# Altium PCB EEG_new.PcbDoc (part 1 of 2)
Units mm, origin at the board's own origin, x right, y up, seen from the top; angles counter-clockwise.
Board outline 100 x 80 mm, 2 copper layers (Top Layer, Bottom Layer); 142 components, 121 nets, 600 pads, 151 vias.
Unrouted connection lines stored in the file: 112.
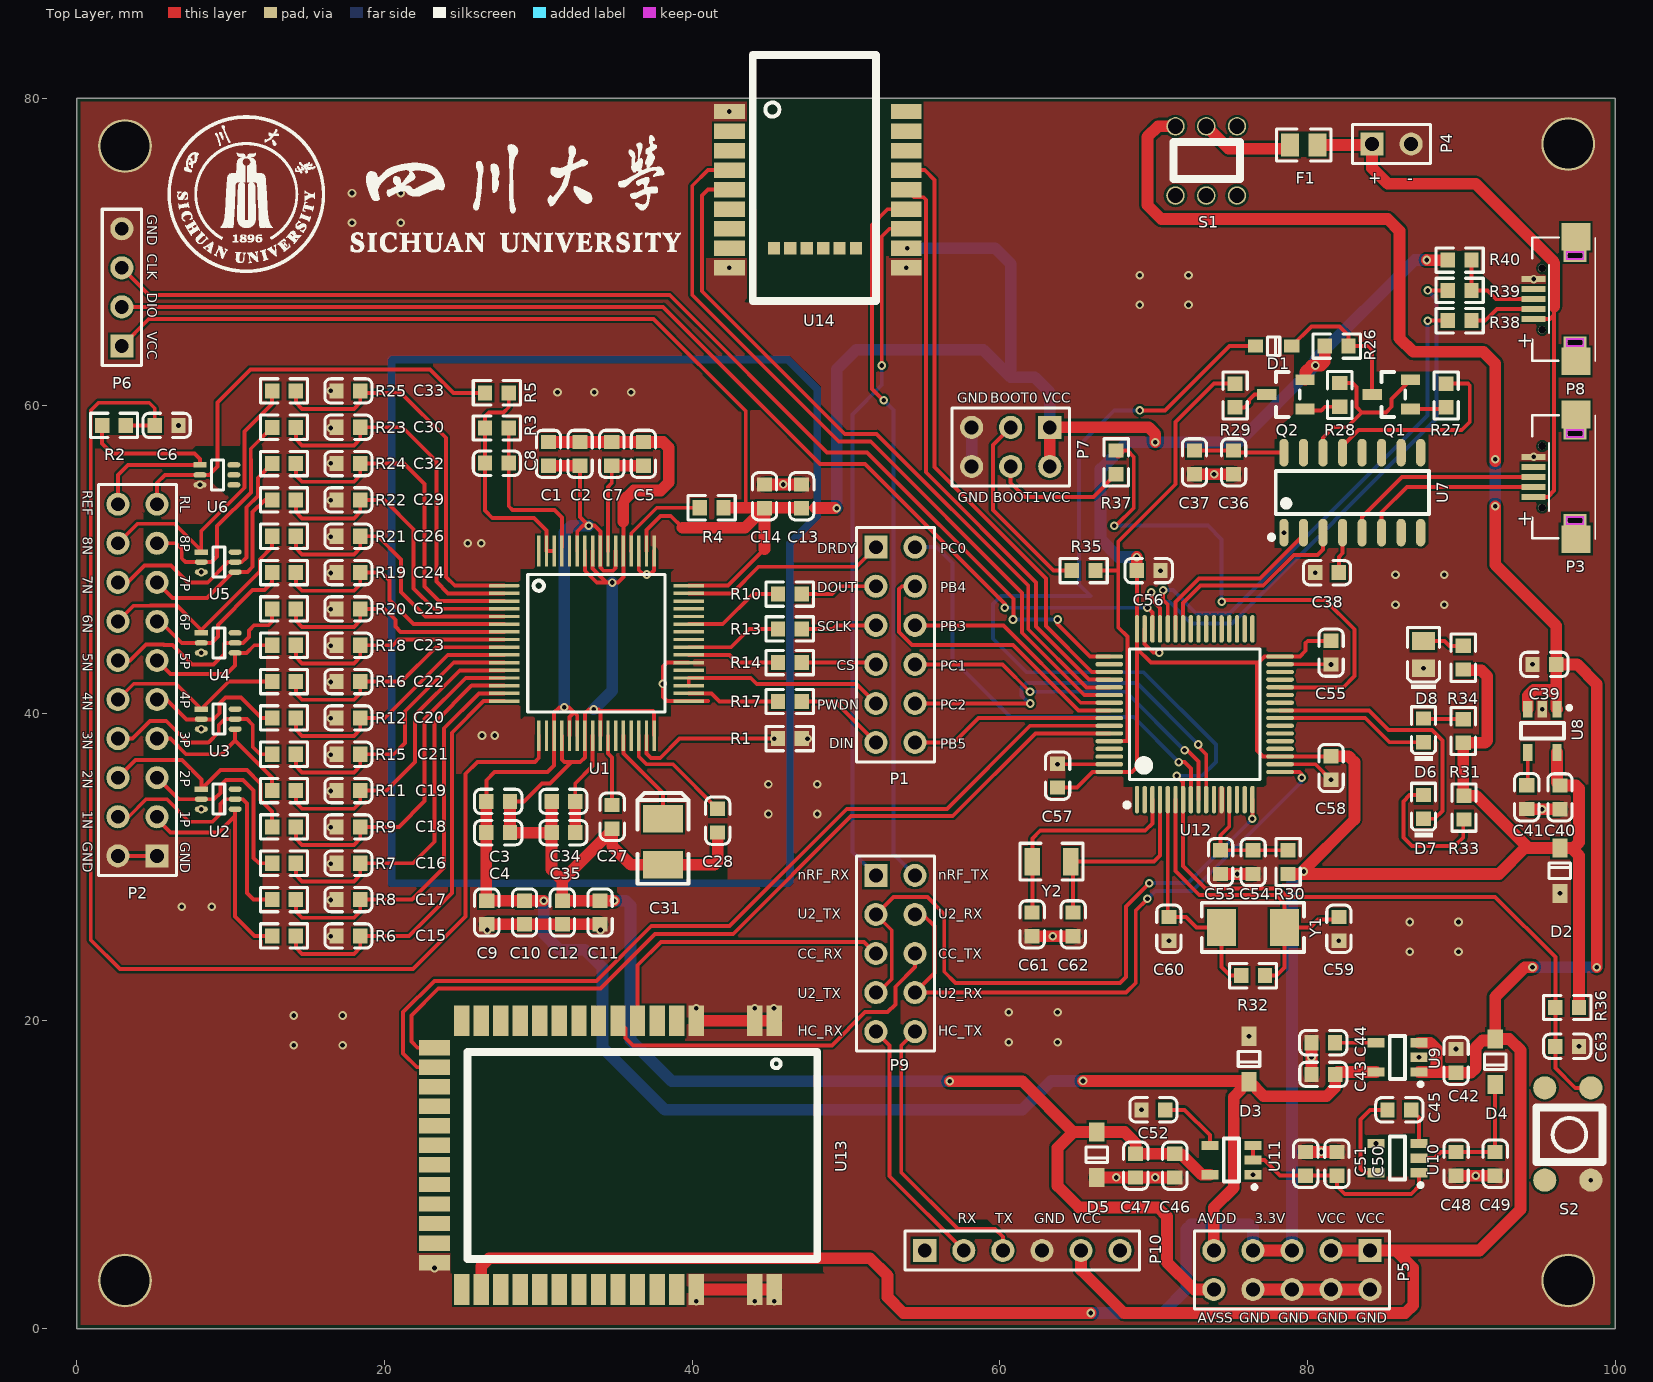
[diagram p0: Top Layer view]
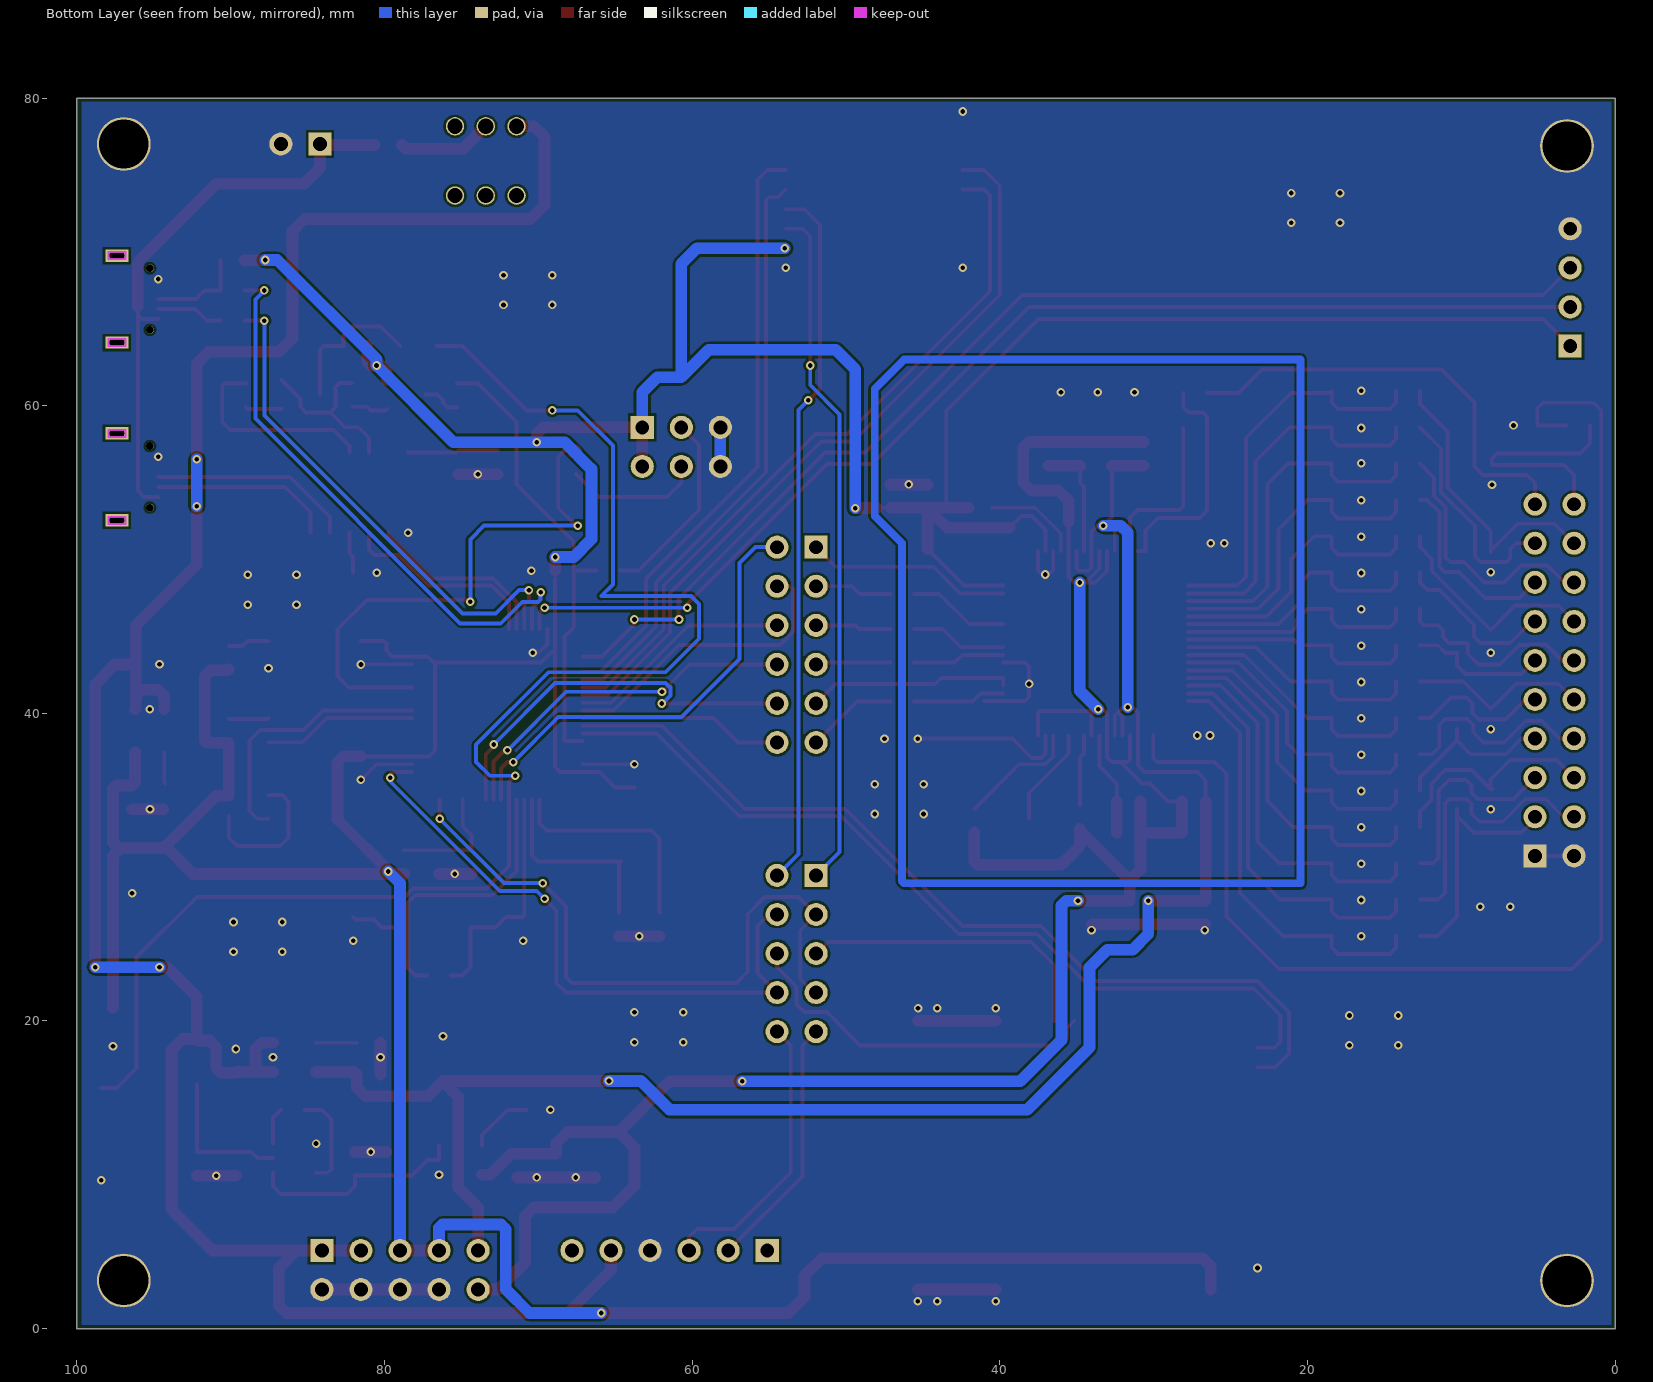
[diagram p1: Bottom Layer view, seen from below]
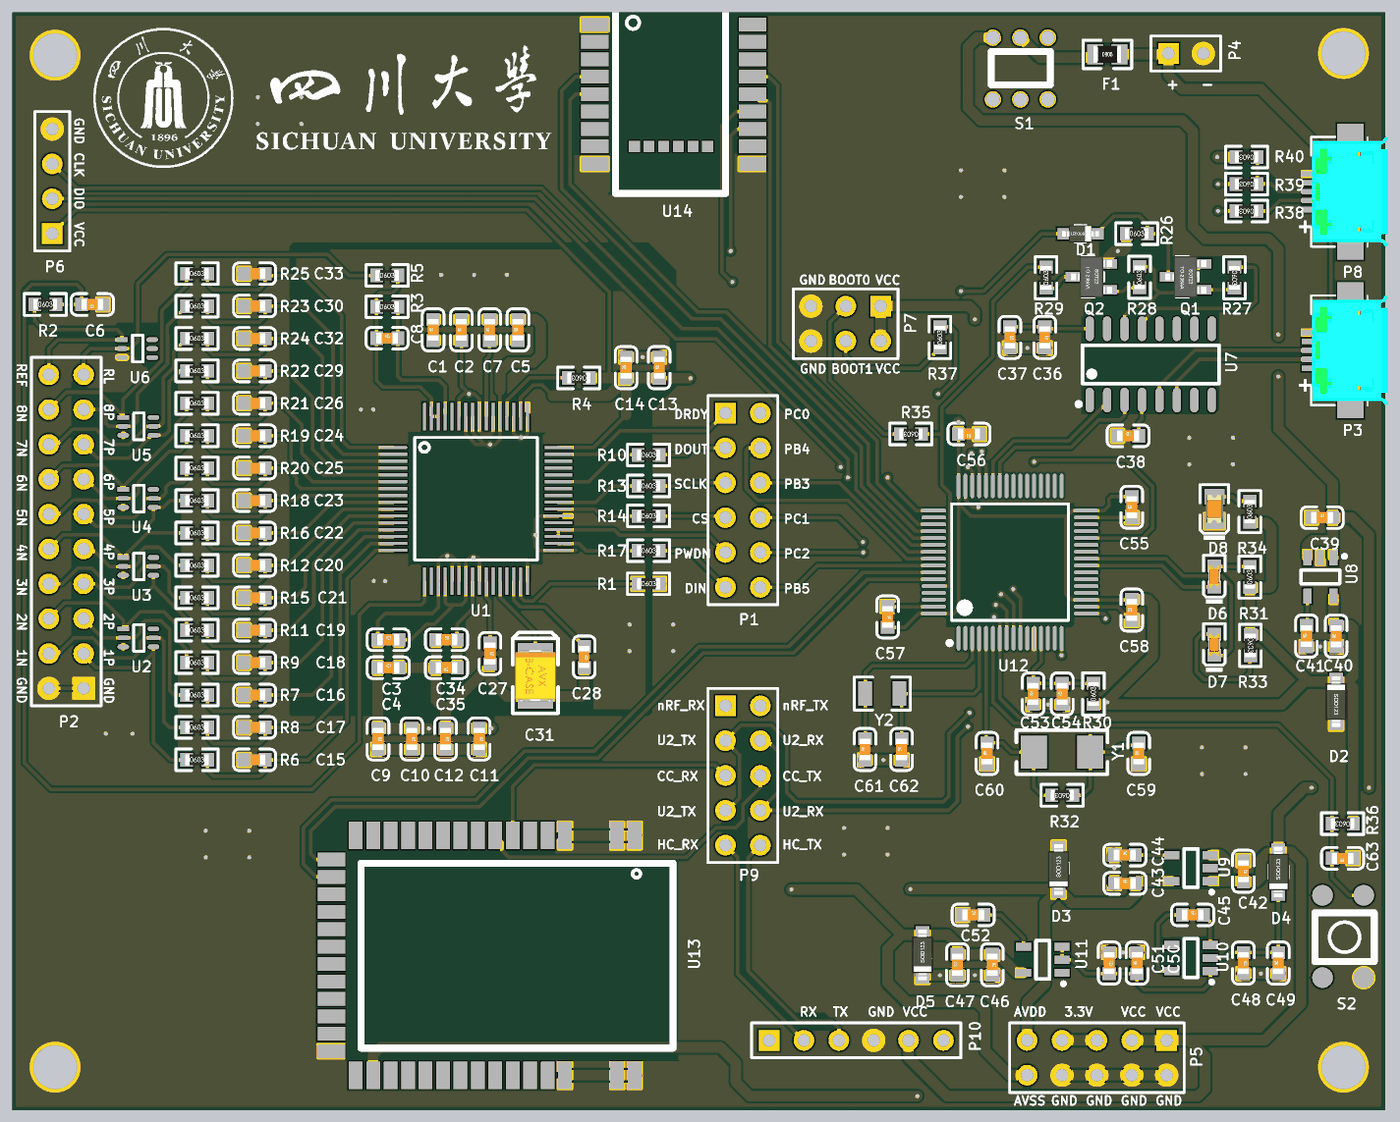
[diagram p3: 3D render of the assembled board from above, using the file's embedded part models]

## Layer stack, top to bottom
Top Solder: solder mask 0.0102, Solder Resist, Dk 3.5
Top Layer: signal copper 0.0356
Dielectric 1: dielectric 0.32, FR-4, Dk 4.8
Bottom Layer: signal copper 0.0356
Bottom Solder: solder mask 0.0102, Solder Resist, Dk 3.5

## Board outline
0,0 0,80 100,80 100,0

## Design rules (kind name [scope] priority, off if disabled: settings)
Clearance [All] p1: gap=0.152 ignorepadtopadclearanceinfootprint=FALSE
DiffPairsRouting DiffPair_DiffPairsRouting [InDifferentialPair ('ch340')] p1: maxlimit=0.762 minlimit=0.152 mostfreqgap=0.152 toplayer_minwidth=0.152 toplayer_maxwidth=0.381 toplayer_prefwidth=0.152 bottomlayer_minwidth=0.152 bottomlayer_maxwidth=0.381 bottomlayer_prefwidth=0.152 maxuncoupledlength=12.7
DiffPairsRouting [All] p2: maxlimit=0.254 minlimit=0.254 mostfreqgap=0.254 toplayer_minwidth=0.381 toplayer_maxwidth=0.381 toplayer_prefwidth=0.381 bottomlayer_minwidth=0.381 bottomlayer_maxwidth=0.381 bottomlayer_prefwidth=0.381 maxuncoupledlength=12.7
HoleSize [All] p1: absolutevalues=TRUE maxlimit=0.559 minlimit=0.305 maxpercent=80.000 minpercent=20.000
MatchedLengths DiffPair_MatchedLengths [InDifferentialPair ('ch340')] p1: tolerance=0.152 checknetsindiffpair=TRUE checkdiffpairvsdiffpair=FALSE checkxsignals=FALSE checkothers=FALSE
MinimumSolderMaskSliver [All] p1: minsoldermaskwidth=0.152
PolygonConnect [All] p1: connectstyle=Direct reliefconductorwidth=0.254 reliefentries=4 polygonreliefangle="90 Angle" airgapwidth=0.254
RoutingVias [All] p1: holewidth=0.711 width=1.27 viastyle="Through Hole" minholewidth=0.711 minwidth=1.27 maxholewidth=0.711 maxwidth=1.27
SilkToSilkClearance [All] p1: silktosilkclearance=0.152
SilkToSolderMaskClearance [IsPad] p1: minsilkscreentomaskgap=0.152 clearancetoexposedcopper=TRUE
SolderMaskExpansion [All] p1: expansion=0.102
Width PWR [InNetClass('PWR')] p1: maxlimit=0.762 minlimit=0.152 preferedwidth=0.762
Width [All] p2: maxlimit=0.762 minlimit=0.152 preferedwidth=0.152
25 further rules are at their usual default settings.

## Classes and differential pairs
net class PWR: +5V AGND AVDD AVSS DGND USB_5V VCC VCC3.3
component class stm32f103: C53 C54 C55 C56 C57 C58 C59 C60 C61 C62 C63 D6 D7 D8 P6 P7 P8 R30 R31 R32 R33 R34 R35 R36 R37 R38 R39 R40 S2 U12 Y1 Y2
component class pwr: C36 C37 C38 C39 C40 C41 C42 C43 C44 C45 C46 C47 C48 C49 C50 C51 C52 D1 D2 D3 D4 D5 F1 P3 P4 P5 Q1 Q2 R26 R27 R28 R29 S1 U7 U8 U9 U10 U11
component class EEG: C1 C2 C3 C4 C5 C6 C7 C8 C9 C10 C11 C12 C13 C14 C15 C16 C17 C18 C19 C20 C21 C22 C23 C24 C25 C26 C27 C28 C29 C30 C31 C32 C33 C34 C35 P1 P2 R1 R2 R3 R4 R5 R6 R7 R8 R9 R10 R11 R12 R13 R14 R15 R16 R17 R18 R19 R20 R21 R22 R23 R24 R25 U1 U2 U3 U4 U5 U6
component class ble: P9 P10 U13 U14
differential pair ch340: +CH340_D+ -CH340_D-

## Components (designator, comment, footprint, x,y, rotation, side; value= is the part's Value field where it differs from the comment)
C1 "1uF 50V" 0603_C 30.656,56.865 r90 top
C2 "100nF 50V" 0603_C 32.714,56.865 r90 top
C3 "1uF 50V" 0603_C 27.391,34.274 r0 top
C4 "100nF 50V" 0603_C 27.391,32.242 r0 top
C5 "1uF 50V" 0603_C 36.83,56.865 r90 top
C6 "4.7nF 50V" 0603_C 5.834,58.717 r180 top
C7 "100nF 50V" 0603_C 34.772,56.865 r90 top
C8 "1.5nF" 0603_C 27.305,56.261 r0 top
C9 "1uF 50V" 0603_C 26.646,27.051 r270 top
C10 "100nF 50V" 0603_C 29.101,27.051 r270 top
C11 "1uF 50V" 0603_C 34.012,27.051 r270 top
C12 "100nF 50V" 0603_C 31.557,27.051 r270 top
C13 "1uF 50V" 0603_C 47.117,54.11 r90 top
C14 "100nF 50V" 0603_C 44.704,54.11 r90 top
C15 "4.7nF 50V" 0603_C 17.653,25.527 r0 top
C16 "4.7nF 50V" 0603_C 17.653,30.251 r0 top
C17 "4.7nF 50V" 0603_C 17.653,27.889 r180 top
C18 "4.7nF 50V" 0603_C 17.653,32.614 r180 top
C19 "4.7nF 50V" 0603_C 17.653,34.976 r0 top
C20 "4.7nF 50V" 0603_C 17.653,39.7 r0 top
C21 "4.7nF 50V" 0603_C 17.653,37.338 r180 top
C22 "4.7nF 50V" 0603_C 17.653,42.062 r180 top
C23 "4.7nF 50V" 0603_C 17.653,44.425 r0 top
C24 "4.7nF 50V" 0603_C 17.653,49.149 r0 top
C25 "4.7nF 50V" 0603_C 17.653,46.787 r180 top
C26 "4.7nF 50V" 0603_C 17.653,51.511 r180 top
C27 "1uF 50V" 0603_C 34.798,33.274 r270 top
C28 "1uF 50V" 0603_C 41.656,33.02 r270 top
C29 "4.7nF 50V" 0603_C 17.653,53.873 r0 top
C30 "4.7nF 50V" 0603_C 17.653,58.598 r0 top
C31 "100uF (107) ±10% 6.3V" CASE-B_3528 38.1,31.647 r90 top
C32 "4.7nF 50V" 0603_C 17.653,56.236 r180 top
C33 "4.7nF 50V" 0603_C 17.653,60.96 r180 top
C34 "10uF" 0603_C 31.631,34.274 r0 top
C35 "100nF 50V" 0603_C 31.631,32.242 r180 top
C36 "10uF (106) 10% 10V" 0603_C 75.2,56.315 r270 top
C37 "100nF (104) 10% 50V" 0603_C 72.655,56.315 r270 top
C38 "100nF (104) 10% 50V" 0603_C 81.272,49.141 r0 top
C39 "1uF" 0603_C 95.397,43.18 r0 top
C40 "1uF" 0603_C 96.413,34.536 r90 top
C41 "1nF" 0603_C 94.254,34.544 r90 top
C42 "1uF" 0603_C 89.662,17.407 r270 top
C43 "1uF" 0603_C 81.034,16.525 r0 top
C44 "1nF" 0603_C 81.026,18.585 r0 top
C45 "1uF" 0603_C 85.971,14.224 r0 top
C46 "1uF" 0603_C 71.374,10.588 r270 top
C47 "10nF" 0603_C 68.834,10.588 r90 top
C48 "1uF" 0603_C 89.662,10.715 r270 top
C49 "10nF" 0603_C 92.202,10.715 r90 top
C50 "1uF" 0603_C 81.915,10.715 r90 top
C51 "10nF" 0603_C 79.883,10.715 r270 top
C52 "1nF" 0603_C 69.985,14.224 r0 top
C53 "10uF  10V" 0603_C 74.351,30.329 r90 top
C54 "100nF  50V" 0603_C 76.464,30.329 r90 top
C55 "100nF" 0603_C 81.534,43.942 r90 top
C56 "100nF" 0603_C 69.68,49.276 r180 top
C57 "100nF" 0603_C 63.754,35.941 r270 top
C58 "100nF" 0603_C 81.534,36.446 r90 top
C59 "22pF" 0603_C 82.042,25.993 r90 top
C60 "22pF" 0603_C 70.993,25.993 r90 top
C61 "22pF" 0603_C 62.103,26.281 r90 top
C62 "22pF" 0603_C 64.77,26.281 r90 top
C63 "100nF  50V" 0603_C 96.885,18.349 r180 top
D1 "1N4148WS T4" SOD-323 77.798,63.873 r180 top
D2 "MMSZ4685T1G(3.6V)" SOD-123 96.413,29.767 r270 top
D3 "MMSZ4683T1G(3V)" SOD-123 76.2,17.526 r90 top
D4 "MBR0520LT1G" SOD-123 92.202,17.35 r90 top
D5 "MMSZ4683T1G(3V)" SOD-123 66.294,11.303 r90 top
D6 "绿灯 0603" 0603_LED_S1 87.546,38.891 r90 top
D7 "绿灯 0603" 0603_LED_S1 87.546,33.917 r90 top
D8 "红灯 0805" 0805_LED_S1 87.546,43.816 r90 top
F1 "Fuse 1A" 0805_R 79.756,76.943 r0 top
P1 "Header 6X2" HDR2X6 51.943,50.8 r270 top
P2 "Header 10X2" HDR2X10 5.207,30.734 r90 top
P3 "USB" MICRO-USB 96.903,55.372 r90 top
P4 "Header 2" HDR1X2 84.201,77.01 r0 top
P5 "Header 5X2" HDR2X5 84.074,5.08 r180 top
P6 "SWD" HDR1X4 2.921,63.881 r90 top
P7 "Header 3X2" HDR2X3 63.246,58.59 r180 top
P8 "USB" MICRO-USB 96.903,66.929 r90 top
P9 "Header 5X2" HDR2X5 51.943,29.464 r270 top
P10 "HC-05_CON" HDR1X6 55.118,5.08 r0 top
Q1 "SS8050 Y1" SOT-23(SOT-23-3) 85.455,60.73 r0 top
Q2 "SS8550 Y2" SOT-23(SOT-23-3) 78.597,60.73 r0 top
R1 "0Ω" 0603_R 46.347,38.354 r0 top
R2 "4.99KΩ (4991) ±1%" 0603_R 2.413,58.717 r0 top
R3 "1MΩ" 0603_R 27.305,58.547 r0 top
R4 "10KΩ" 0603_R 41.267,53.365 r180 top
R5 "100KΩ" 0603_R 27.305,60.833 r0 top
R6 "4.99KΩ" 0603_R 13.462,25.527 r0 top
R7 "4.99KΩ" 0603_R 13.462,30.251 r0 top
R8 "4.99KΩ" 0603_R 13.462,27.889 r0 top
R9 "4.99KΩ" 0603_R 13.462,32.614 r0 top
R10 "33Ω" 0603_R 46.347,47.752 r0 top
R11 "4.99KΩ" 0603_R 13.462,34.976 r0 top
R12 "4.99KΩ" 0603_R 13.462,39.7 r0 top
R13 "33Ω" 0603_R 46.347,45.489 r0 top
R14 "33Ω" 0603_R 46.347,43.296 r0 top
R15 "4.99KΩ" 0603_R 13.462,37.338 r0 top
R16 "4.99KΩ" 0603_R 13.462,42.062 r0 top
R17 "33Ω" 0603_R 46.347,40.767 r0 top
R18 "4.99KΩ" 0603_R 13.462,44.425 r0 top
R19 "4.99KΩ" 0603_R 13.462,49.149 r0 top
R20 "4.99KΩ" 0603_R 13.462,46.787 r0 top
R21 "4.99KΩ" 0603_R 13.462,51.511 r0 top
R22 "4.99KΩ" 0603_R 13.462,53.873 r0 top
R23 "4.99KΩ" 0603_R 13.462,58.59 r0 top
R24 "4.99KΩ" 0603_R 13.462,56.236 r0 top
R25 "4.99KΩ" 0603_R 13.462,60.96 r0 top
R26 "10KΩ" 0603_R 81.899,63.873 r0 top
R27 "1KΩ (1001) ±1%" 0603_R 89.011,60.66 r270 top
R28 "1KΩ (1001) ±1%" 0603_R 82.099,60.698 r90 top
R29 "1KΩ (1001) ±1%" 0603_R 75.295,60.66 r90 top
R30 "10Ω (10R0) ±1%" 0603_R 78.74,30.329 r90 top
R31 "510Ω" 0603_R 90.128,38.85 r90 top
R32 "1MΩ" 0603_R 76.464,22.945 r180 top
R33 "510Ω" 0603_R 90.175,33.867 r270 top
R34 "1KΩ" 0603_R 90.128,43.613 r90 top
R35 "10KΩ" 0603_R 65.449,49.276 r180 top
R36 "10K" 0603_R 96.885,20.873 r180 top
R37 "10KΩ" 0603_R 67.564,56.315 r90 top
R38 "10Ω" 0603_R 89.892,65.524 r180 top
R39 "10Ω" 0603_R 89.892,67.492 r180 top
R40 "1.5KΩ" 0603_R 89.892,69.461 r180 top
S1 "SW-PB" KEY_5.8*5.8 71.418,78.16 r270 top
S2 "SW-PB" key_4.5*4.5*3.8 98.425,15.652 r270 top
U1 "ADS1299" ADS1299 26,50.836 r0 top
U2 "TPD4E1B06DCKR" SOP6 8.087,35.066 r0 top
U3 "TPD4E1B06DCKR" SOP6 8.087,40.274 r0 top
U4 "TPD4E1B06DCKR" SOP6 8.087,45.227 r0 top
U5 "TPD4E1B06DCKR" SOP6 8.087,50.483 r0 top
U6 "TPD4E1B06DCKR" SOP6 8.001,56.149 r0 top
U7 "CH340G" SOIC-16_150mil 82.915,54.348 r0 top
U8 "TPS71733DCKR" SOT-23-5 95.27,38.862 r90 top
U9 "TPS73225" SOT-23-5 85.852,17.635 r0 top
U10 "TPS60403" SOT-23-5 85.852,11.08 r0 top
U11 "TPS72325" SOT-23-5 75.057,10.953 r0 top
U12 "STM32F103RCT6" LQFP-64_10x10x05P 72.668,39.939 r0 top
U13 "CC2640R2F" CC2640R2F 32.385,33.091 r90 top
U14 "nRF52832" nRF52832 47.244,74.422 r180 top
Y1 "8MHz ±20ppm 20pF" SMD-5032_2P 76.454,26.085 r180 top
Y2 "32.768KHz" "SMD-3215_2P FC - 135" 63.363,30.353 r180 top

## Footprints (in the part's own frame and the unit in brackets; to place one, negate y for a bottom-side part, rotate by r counter-clockwise, add the part's x,y. Pads: shape width x height; smd on the part's side, far side on the other; paste and mask are expansions set on the pad)
0603_C [mm]
  rect 0.93x0.98 smd: 1(-0.77,0) 2(0.77,0)
  silkscreen extent -1.53,-0.79 1.54,0.79, body extent -0.8,-0.4 0.8,0.4, height 0.3
0603_LED_S1 [mm]
  rect 0.93x0.98 smd: A(0.77,0) K(-0.77,0)
  silkscreen extent -1.98,-0.79 1.54,0.79, body extent -0.8,-0.4 0.8,0.4, height 0.6
0603_R [mm]
  rect 0.93x0.98 smd: 1(-0.77,0) 2(0.77,0)
  silkscreen extent -1.53,-0.79 1.54,0.79, body extent -0.85,-0.4 0.85,0.4, height 0.56
0805_LED_S1 [mm]
  rect 1.16x1.47 smd: A(0.89,0) K(-0.89,0)
  silkscreen extent -2.24,-1.04 1.77,1.03, body extent -1.01,-0.62 1.01,0.62, height 1.1
0805_R [mm]
  rect 1.16x1.47 smd: 1(-0.89,0) 2(0.89,0)
  silkscreen extent -1.77,-1.04 1.77,1.03, body extent -1,-0.62 1,0.63, height 0.49
ADS1299 [mm]
  oval 2x0.22 smd: 1(1.778,-2.54)
  rect 2x0.22 smd: 2(1.778,-3.04) 3(1.778,-3.54) 4(1.778,-4.04) 5(1.778,-4.54) 6(1.778,-5.04) 7(1.778,-5.54) 8(1.778,-6.04) 9(1.778,-6.54) 10(1.778,-7.04) 11(1.778,-7.54) 12(1.778,-8.04) 13(1.778,-8.54) 14(1.778,-9.04) 15(1.778,-9.54) 16(1.778,-10.04) 33(13.778,-10.04) 34(13.778,-9.54) 35(13.778,-9.04) 36(13.778,-8.54) 37(13.778,-8.04) 38(13.778,-7.54) 39(13.778,-7.04) 40(13.778,-6.54) 41(13.778,-6.04) 42(13.778,-5.54) 43(13.778,-5.04) 44(13.778,-4.54) 45(13.778,-4.04) 46(13.778,-3.54) 47(13.778,-3.04) 48(13.778,-2.54)
  rect 0.22x2 smd: 17(4.028,-12.29) 18(4.528,-12.29) 19(5.028,-12.29) 20(5.528,-12.29) 21(6.028,-12.29) 22(6.528,-12.29) 23(7.028,-12.29) 24(7.528,-12.29) 25(8.028,-12.29) 26(8.528,-12.29) 27(9.028,-12.29) 28(9.528,-12.29) 29(10.028,-12.29) 30(10.528,-12.29) 31(11.028,-12.29) 32(11.528,-12.29) 49(11.528,-0.29) 50(11.028,-0.29) 51(10.528,-0.29) 52(10.028,-0.29) 53(9.528,-0.29) 54(9.028,-0.29) 55(8.528,-0.29) 56(8.028,-0.29) 57(7.528,-0.29) 58(7.028,-0.29) 59(6.528,-0.29) 60(6.028,-0.29) 61(5.528,-0.29) 62(5.028,-0.29) 63(4.528,-0.29) 64(4.028,-0.29)
  silkscreen extent 3.31,-10.75 12.24,-1.83
CASE-B_3528 [mm]
  rect 1.8x2.6 smd: 1(1.5,0) 2(-1.5,0)
  silkscreen extent -2.73,-1.65 3.16,1.65, body extent -1.85,-1.47 1.85,1.46, height 2.03
CC2640R2F [mm]
  rect 2x1 smd: 1(-13.081,-12.944) 2(-13.081,-11.674) 3(-13.081,-7.874) 4(-13.081,-6.604) 5(-13.081,-5.334) 6(-13.081,-4.064) 7(-13.081,-2.794) 8(-13.081,-1.524) 9(-13.081,-0.254) 10(-13.081,1.016) 11(-13.081,2.286) 12(-13.081,3.556) 13(-13.081,4.826) 14(-13.081,6.096) 15(-13.081,7.366) 28(-30.551,7.366) 29(-30.551,6.096) 30(-30.551,4.826) 31(-30.551,3.556) 32(-30.551,2.286) 33(-30.551,1.016) 34(-30.551,-0.254) 35(-30.551,-1.524) 36(-30.551,-2.794) 37(-30.551,-4.064) 38(-30.551,-5.334) 39(-30.551,-6.604) 40(-30.551,-7.874) 41(-30.551,-11.674) 42(-30.551,-12.944)
  rect 1x2 smd: 16(-14.831,9.136) 17(-16.101,9.136) 18(-17.371,9.136) 19(-18.641,9.136) 20(-19.911,9.136) 21(-21.181,9.136) 22(-22.451,9.136) 23(-23.721,9.136) 24(-24.991,9.136) 25(-26.261,9.136) 26(-27.531,9.136) 27(-28.801,9.136)
  silkscreen extent -28.57,-15.75 -15.11,6.98
HDR1X2 [mm] "Connector; Header; 2 Position"
  rect 1.5x1.5 hole 0.9: 1(0,0)
  round 1.5 hole 0.9: 2(2.54,0)
  silkscreen extent -1.27,-1.27 3.81,1.27
HDR1X4 [mm] "Connector; Header; 4 Position"
  rect 1.5x1.5 hole 0.9: 1(0,0)
  round 1.5 hole 0.9: 2(2.54,0) 3(5.08,0) 4(7.62,0)
  silkscreen extent -1.27,-1.27 8.89,1.27
HDR1X6 [mm] "Connector; Header; 6 Position"